# Altium PCB mxiot.PcbDoc (part 2 of 3)
Units mil, origin at the board's own origin, x right, y up, seen from the top; angles counter-clockwise.
Board outline 2300 x 800 mil, 6 copper layers (L1, L2, L3, L4, L5, L6), stack 41.854 mil thick; 97 components, 151 nets, 730 pads, 449 vias.
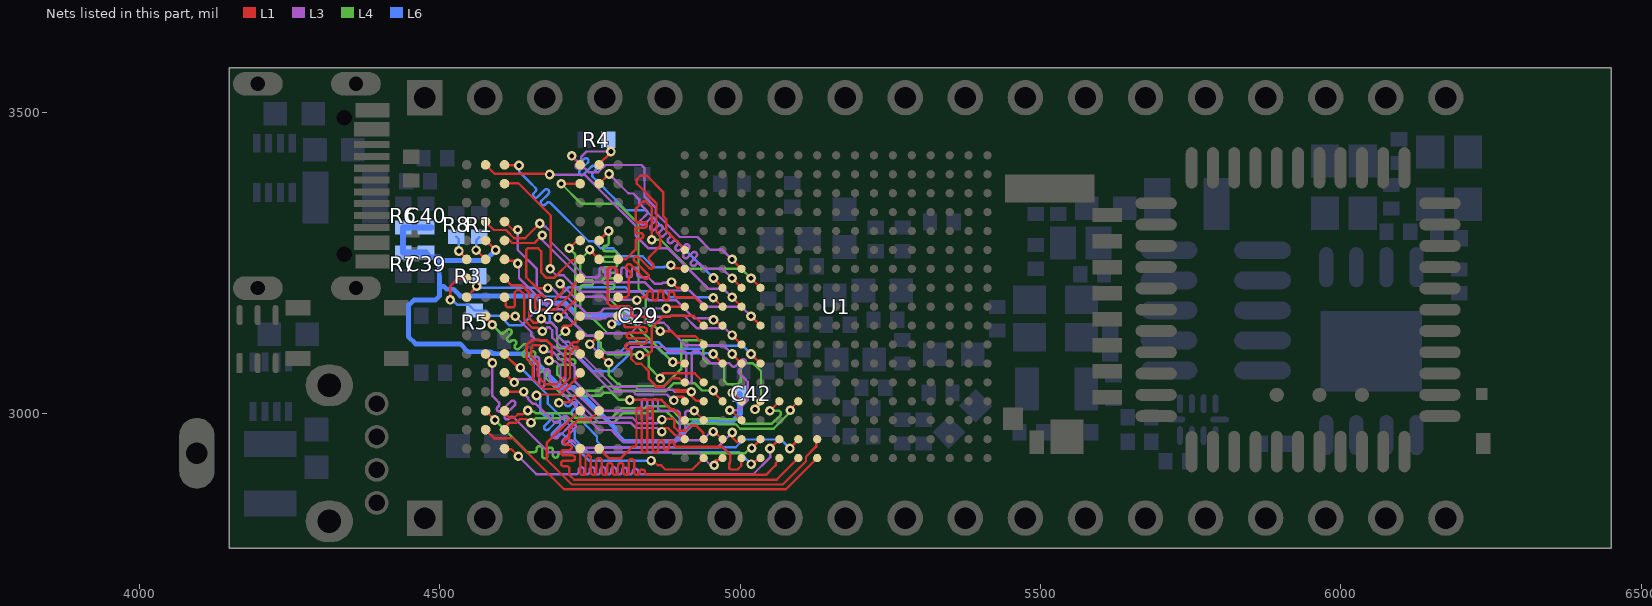
[diagram p6: the nets of this part, all layers, seen from the top]

## Via types
v1: diameter 16, hole 8, L1 to L6, tented both sides, 437 vias
v2: diameter 19.68, hole 7.87, L1 to L6, 12 vias

## Nets (pads, with @x,y where several pads share a name; then routed paths per layer and width w, separated by ;. In a path a pad name is that pad's centre, name@x,y a point inside that pad or via, vN(x,y) a via of type N, cw(c..) or ccw(c..) an arc to the next point about the centre after c; other vN are vias at no path point) (continued)
DDR_A7: U1.H4 U2.R2 | length 507.2
  L1 w4: U2.R2@4765.49,3381.72 4765.61,3381.72 4781.88,3398 v1(4782,3398) ; v1(4986.77,3224.24) U1.H4@5002.52,3208.5
  L3 w4: v1(4782,3398) 4814,3366 4815.37,3366 4815.93,3365.44 4822.24,3365.44 4832,3355.69 4832,3349.37 4836.69,3344.69 4844.46,3336.91 cw(c4841.28,3333.73) 4844.46,3330.54 4834.8,3320.88 ccw(c4837.98,3317.7) 4834.8,3314.51 ccw(c4837.98,3317.7) 4841.16,3314.51 4850.83,3324.18 cw(c4854.01,3321) 4857.19,3324.18 cw(c4854.01,3321) 4857.19,3317.82 4851.42,3312.04 ccw(c4854.6,3308.86) 4851.42,3305.68 ccw(c4854.6,3308.86) 4857.78,3305.68 4863.56,3311.45 cw(c4866.74,3308.27) 4869.92,3311.45 cw(c4866.74,3308.27) 4869.92,3305.09 4866.24,3301.41 ccw(c4869.42,3298.22) 4866.24,3295.04 ccw(c4869.42,3298.22) 4872.6,3295.04 4876.28,3298.72 cw(c4879.47,3295.54) 4882.65,3298.72 cw(c4879.47,3295.54) 4882.65,3292.36 4880.78,3290.49 ccw(c4883.96,3287.31) 4880.78,3284.13 ccw(c4883.96,3287.31) 4887.15,3284.13 4889.01,3286 cw(c4892.19,3282.81) 4895.38,3286 cw(c4892.19,3282.81) 4895.38,3279.63 4893.71,3277.97 ccw(c4896.89,3274.78) 4893.71,3271.6 ccw(c4896.89,3274.78) 4900.07,3271.6 4908.08,3279.6 cw(c4911.26,3276.42) 4914.44,3279.6 cw(c4911.26,3276.42) 4914.44,3273.24 4906.44,3265.24 ccw(c4909.62,3262.06) 4906.44,3258.87 ccw(c4909.62,3262.06) 4912.8,3258.87 4920.8,3266.88 cw(c4923.99,3263.69) 4927.17,3266.88 cw(c4923.99,3263.69) 4927.17,3260.51 4919.17,3252.51 ccw(c4922.35,3249.33) 4919.17,3246.15 ccw(c4922.35,3249.33) 4925.53,3246.15 4927.2,3247.81 cw(c4930.38,3244.63) 4933.56,3247.81 4939.69,3241.69 4941.38,3239.99 4971.02,3239.99 v1(4986.77,3224.24)
DDR_A8: U1.J4 U2.T8 | length 533.4
  L1 w4: U2.T8@4576.51,3413.22 4591.73,3398 4682,3398 v1(4683,3397) ; v1(4986.77,3192.75) U1.J4@5002.52,3177
  L3 w4: v1(4683,3397) 4741,3397 4776.47,3361.53 4826,3312 4826,3295.68 4847.68,3274 4880,3274 4947.25,3206.75 4972.77,3206.75 v1(4986.77,3192.75)
DDR_A9: U1.L2 U2.R3 | length 467.4
  L1 w4: v1(4702.5,3381.72) U2.R3@4733.99,3381.72 ; v1(4867.37,3136.37) 4885.93,3136.37 4894.3,3128 4925.54,3128 U1.L2@4939.53,3114.01
  L4 w4: v1(4702.5,3381.72) 4735.49,3348.73 4796.76,3348.73 4830.99,3314.5 4830.99,3206.81 4843,3194.8 4843,3152.25 4849.79,3145.46 4856.66,3145.46 4865.75,3136.37 v1(4867.37,3136.37)
DDR_A10: U1.M4 U2.L7 | length 500.5
  L1 w4: U2.L7@4608.01,3255.74 4610.07,3253.67 4622.08,3253.67 4626.75,3249 v1(4630,3249) ; v1(4986.77,3098.26) U1.M4@5002.52,3082.51
  L3 w4: v1(4630,3249) 4632,3247 4632,3224.89 4683.89,3173 4703.13,3173 4711.33,3164.8 4711.33,3161.64 4744.17,3128.8 4761.05,3128.8 4765.13,3132.87 4818.18,3132.87 4835.68,3150.37 4873.17,3150.37 4881.37,3142.17 4881.37,3140.93 4909.73,3112.57 4972.46,3112.57 4985.29,3099.74 4986.25,3099.74 4986.25,3098.26 v1(4986.77,3098.26)
DDR_A11: U1.K3 U2.R7 | length 515.6
  L1 w4: U2.R7@4608.01,3381.72 4608.76,3382.48 4631.32,3382.48 4685,3328.8 4685,3241 v1(4684,3240) ; v1(4955.86,3155) 4958.88,3155 4968.38,3145.5 U1.K3@4971.02,3145.5
  L3 w4: v1(4684,3240) 4684,3239.4 4685,3238.4 4694.09,3229.3 4706.31,3229.3 4733.62,3201.99 4783.7,3201.99 4834.4,3202 4848.4,3188 4893.36,3188 4923.49,3157.87 4953.51,3157.87 4953.51,3157.34 v1(4955.86,3155)
DDR_A12: U1.L4 U2.N7 | length 523.6
  L1 w4: U2.N7@4608.01,3318.73 4621.74,3305 v1(4630,3305) ; v1(4986.77,3129.76) U1.L4@5002.52,3114.01
  L3 w4: v1(4630,3305) 4630,3271.49 4661.8,3239.69 4661.8,3206.4 4687.2,3181 4706.44,3181 4729.66,3157.78 4775.98,3157.78 4780.2,3162 4830.5,3162 4832.5,3160 4882.8,3160 4884.8,3162 4907.28,3162 4928.28,3141 4975.53,3141 v1(4986.77,3129.76)
DDR_A13: U1.H3 U2.T3 | length 433.7
  L1 w4: v1(4719.92,3428.03) 4719.92,3427.29 U2.T3@4733.99,3413.22 ; v1(4955.82,3224.79) 4955.82,3224.24 4971.02,3209.05 U1.H3@4971.02,3208.5
  L6 w4: v1(4719.92,3428.03) 4727.98,3419.98 4729.39,3418.56 ccw(c4732.57,3421.74) 4735.76,3418.56 4740.16,3422.96 cw(c4743.34,3419.78) 4746.52,3422.96 cw(c4743.34,3419.78) 4746.52,3416.6 4733.28,3403.36 ccw(c4736.47,3400.18) 4733.29,3397 ccw(c4736.47,3400.18) 4739.65,3397 4752.88,3410.24 cw(c4756.07,3407.05) 4759.25,3410.24 cw(c4756.07,3407.05) 4759.25,3403.87 4754.85,3399.47 ccw(c4758.03,3396.29) 4754.85,3393.11 4762.48,3385.48 4789.72,3358.23 4789.86,3358.23 4810.64,3337.44 4843.17,3337.44 v1(4955.82,3224.79)
DDR_A14: U1.G1 U2.T7 | length 443
  L1 w4: U2.T7@4608.01,3413.22 4608.62,3412.61 4631.39,3412.61 v1(4632,3412) ; v1(4885,3246) 4885,3242.11 4885.83,3241.28 4906.75,3241.28 U1.G1@4908.03,3239.99
  L6 w4: v1(4632,3412) 4632,3402.2 4650.6,3383.6 4659.23,3374.97 cw(c4656.05,3371.79) 4659.23,3368.61 4656.62,3365.99 ccw(c4659.8,3362.81) 4656.62,3359.63 ccw(c4659.8,3362.81) 4662.98,3359.63 4674.57,3371.22 cw(c4677.75,3368.04) 4680.94,3371.22 cw(c4677.75,3368.04) 4680.94,3364.86 4669.34,3353.27 ccw(c4672.53,3350.08) 4669.34,3346.9 ccw(c4672.53,3350.08) 4675.71,3346.9 4678.32,3349.51 cw(c4681.5,3346.33) 4684.69,3349.51 4686.1,3348.1 4748.2,3286 4756.24,3286 4768.24,3274 4788.87,3274 4801.92,3260.95 4837.76,3260.95 4855.71,3243 4873.8,3243 4874.5,3243.7 4882.7,3243.7 v1(4885,3246)
DDR_A15: U1.K5 U2.M7 | length 504.7
  L1 w4: U2.M7@4608.01,3287.24 4609.66,3287.24 4613.15,3290.73 4620.89,3283 4658,3283 v1(4670.9,3295.9) ; v1(5018.27,3161.25) U1.K5@5034.02,3145.5
  L3 w4: v1(4670.9,3295.9) 4669,3294 4669,3289.62 4740.63,3217.99 4777.08,3217.99 4841.03,3218 4855.03,3204 4916.1,3204 4943.1,3177 5002.52,3177 v1(5018.27,3161.25)
DDR_CAS: U1.J2 U2.K3 | length 514
  L1 w4: v1(4700.56,3215.25) 4700.56,3212.38 4706.03,3206.91 4706.03,3203.03 4688,3185 4682,3185 4671,3196 4662,3196 4659,3193 4659,3174.34 4661.34,3172 4692,3172 4721,3201 4721,3211.25 U2.K3@4733.99,3224.24 ; v1(4828.3,3188) 4831.55,3188 4836.3,3192.75 4839,3192.75 4841,3192.75 ccw(c4841,3197.25) 4845.5,3197.25 4845.5,3199.12 cw(c4850,3199.12) 4854.5,3199.12 4854.5,3192.45 ccw(c4859,3192.45) 4863.5,3192.45 4863.5,3199.12 cw(c4868,3199.12) 4872.5,3199.12 4872.5,3192.5 ccw(c4877,3192.5) 4881.5,3192.5 4881.5,3197.65 cw(c4886,3197.65) 4890.5,3197.65 4890.5,3197.25 ccw(c4895,3197.25) 4895,3192.75 4907,3192.75 4923.78,3192.75 U1.J2@4939.53,3177
  L3 w4: v1(4700.56,3215.25) 4701.79,3215.25 4723.26,3193.78 4772.43,3193.78 4777.9,3188.3 4828,3188.3 v1(4828.3,3188)
DDR_CLK_n: U1.P2 U2.K7 | length 510.5
  L1 w4: U2.K7@4608.01,3224.24 4619.76,3212.5 4636.97,3212.5 4648.95,3200.51 4648.95,3158.22 4657.1,3150.07 4662.55,3150.07 4669,3156.52 v1(4669,3157) ; v1(4919,3035.27) v1@4912.09,3035.27 ; U1.P2@4939.53,3019.52 4938.7,3020.34 4927.01,3020.34 v1@4912.09,3035.27 ; v1@4912.09,3035.27 4909.23,3038.13 4898.48,3038.13 4897.7,3038.91 4892.44,3038.91 4896.07,3035.27 v1@4912.09,3035.27
  L3 w4: v1(4669,3157) 4670.88,3157 4677.34,3150.54 4685.99,3150.54 4695.4,3141.13 4695.4,3128.82 4705.61,3118.61 4714.91,3118.61 4789.74,3043.78 4825.52,3043.78 4830.39,3038.91 4887.85,3038.91 4891.49,3035.27 v1(4919,3035.27)
DDR_CLK_p: U1.P1 U2.J7 | length 456.9
  L1 w4: U2.J7@4608.01,3192.75 4610.33,3190.42 4610.33,3178.3 4612.67,3175.96 4622.66,3175.96 4625,3178.3 4625,3201 4628.5,3204.5 4633.65,3204.5 4640.95,3197.2 4640.95,3154.91 4653.79,3142.07 4662.62,3142.07 4668.6,3136.08 v1(4670.96,3136.08) ; v1@4892.4,3027.2 4895.94,3027.2 4896,3027.27 4906.16,3027.27 4906.16,3021.39 U1.P1@4908.03,3019.52
  L3 w4: v1(4670.96,3136.08) 4672.84,3136.08 4679.3,3142.54 4682.67,3142.54 4687.4,3137.81 4687.4,3125.51 4695.91,3117 4699.95,3112.95 4702.3,3110.61 4711.5,3110.61 4713.11,3109 4713.16,3109.05 4786.42,3035.78 4822.2,3035.78 4827.08,3030.91 4878.58,3030.91 4888.48,3021 v1(4890,3021)
DDR_CS0: U1.N2 U2.L2 | length 440.9
  L1 w4: v1(4749.74,3272) 4749.74,3271.49 U2.L2@4765.49,3255.74 ; v1(4867,3058) 4868.24,3059.24 4868.24,3062.76 4871.61,3066.13 4924.42,3066.13 U1.N2@4939.53,3051.02
  L4 w4: v1(4749.74,3272) 4749.74,3271.49 4733.99,3255.74 4733.99,3237 4733.99,3226 ccw(c4738.49,3226) 4738.49,3221.5 4751.19,3221.5 cw(c4751.19,3217) 4751.19,3212.5 4738.49,3212.5 ccw(c4738.49,3208) 4733.99,3208 4733.99,3179 4733.99,3176.12 4753.46,3156.66 4755.91,3156.66 4779.7,3132.87 4815.93,3132.87 4847.78,3101.02 4847.78,3077.22 v1(4867,3058)
DDR_CS1: U1.H5 U2.L1 | length 458.3
  L1 w4: U2.L1@4796.98,3255.74 4809.74,3255.74 4826.12,3272.12 4826.12,3275.06 4826.12,3286.06 cw(c4830.62,3286.06) 4830.62,3290.56 4834.49,3290.56 ccw(c4834.49,3295.06) 4834.49,3299.56 4829.6,3299.56 cw(c4829.6,3304.06) 4829.6,3308.56 4840.49,3308.56 ccw(c4840.49,3313.06) 4840.49,3317.56 4830.62,3317.56 cw(c4830.62,3322.06) 4826.12,3322.06 4826.12,3340.12 4827.45,3341.45 4838.84,3352.84 4842.16,3352.84 4852.99,3342.01 v1(4852.99,3288.5) ; v1(5018.27,3224.24) U1.H5@5034.02,3208.5
  L4 w4: v1(4852.99,3288.5) 4867.5,3288.5 4916.01,3239.99 5002.52,3239.99 v1(5018.27,3224.24)
DDR_DATA0: U1.T4 U2.D7 | length 595.7
  L1 w4: U2.D7@4608.01,3035.27 4608.37,3035.63 v1(4639.97,3035.63) ; v1(4987,2967.53) 4987,2959.48 4995.49,2950.99 5001.02,2956.53 U1.T4@5002.52,2956.53
  L3 w4: v1(4639.97,3035.63) 4639.97,3032.38 4647.15,3025.2 4647.15,3023.35 4655.35,3015.15 4660.44,3015.15 4689.3,2986.3 4690.71,2984.88 ccw(c4693.9,2988.07) 4697.08,2984.88 4706.04,2993.85 cw(c4709.23,2990.67) 4712.41,2993.85 cw(c4709.23,2990.67) 4712.41,2987.49 4690.22,2965.3 ccw(c4693.4,2962.12) 4690.22,2958.94 ccw(c4693.4,2962.12) 4696.59,2958.94 4718.77,2981.12 cw(c4721.95,2977.94) 4725.14,2981.12 cw(c4721.95,2977.94) 4725.14,2974.76 4705.4,2955.02 ccw(c4708.58,2951.84) 4705.4,2948.66 ccw(c4708.58,2951.84) 4711.76,2948.66 4716.17,2953.06 cw(c4719.35,2949.88) 4722.53,2953.06 4728.3,2947.3 4733.07,2942.53 4842.54,2942.53 4842.86,2942.85 4962.32,2942.85 v1(4987,2967.53)
DDR_DATA1: U1.U6 U2.A3 | length 615.2
  L1 w4: U2.A3@4733.99,2940.78 4734,2899.34 4736.34,2897 4738.34,2897 ccw(c4738.34,2901.5) 4742.84,2901.5 4742.84,2925.23 cw(c4747.34,2925.23) 4751.84,2925.23 4751.84,2901.5 ccw(c4756.34,2901.5) 4760.84,2901.5 4760.84,2920.61 cw(c4765.34,2920.61) 4769.84,2920.61 4769.84,2901.5 ccw(c4774.34,2901.5) 4778.84,2901.5 4778.84,2912.5 cw(c4783.34,2912.5) 4787.84,2912.5 4787.84,2901.5 ccw(c4792.34,2901.5) 4796.84,2901.5 4796.84,2912.5 cw(c4801.34,2912.5) 4805.84,2912.5 4805.84,2901.5 ccw(c4810.34,2901.5) 4814.84,2901.5 4814.84,2918.93 cw(c4819.34,2918.93) 4823.84,2918.93 4823.84,2901.5 ccw(c4828.34,2901.5) 4832.84,2901.5 cw(c4837.34,2901.5) 4841.84,2901.5 ccw(c4846.34,2901.5) 4846.34,2897 4855,2897 5043.38,2897 5059.58,2913.2 5059.58,2916.45 5065.51,2922.39 U1.U6@5065.51,2925.03
DDR_DATA2: U1.T6 U2.A7 | length 595.5
  L1 w4: U2.A7@4608.01,2940.78 4608.85,2939.94 4619.06,2939.94 v1(4631,2928) ; v1(5050,2941) U1.T6@5065.51,2956.53
  L3 w4: v1(4631,2928) 4661,2898 4724.97,2898 4726.97,2898 ccw(c4726.97,2902.5) 4731.47,2902.5 4731.47,2905.2 cw(c4735.97,2905.2) 4740.47,2905.2 4740.47,2902.49 ccw(c4744.97,2902.49) 4749.47,2902.49 4749.47,2905.2 cw(c4753.97,2905.2) 4758.47,2905.2 4758.47,2902.49 ccw(c4762.97,2902.49) 4767.47,2902.49 4767.47,2905.2 cw(c4771.97,2905.2) 4776.47,2905.2 4776.47,2902.49 ccw(c4780.97,2902.49) 4785.47,2902.49 4785.47,2905.2 cw(c4789.97,2905.2) 4794.47,2905.2 4794.47,2902.49 ccw(c4798.97,2902.49) 4803.47,2902.49 4803.47,2904.47 cw(c4807.97,2904.47) 4812.47,2904.47 4812.47,2902.49 ccw(c4816.97,2902.49) 4821.47,2902.49 cw(c4825.97,2902.5) 4830.47,2902.5 ccw(c4834.97,2902.5) 4834.97,2898 4845,2898 5021.99,2898 5050,2926.01 v1(5050,2941)
DDR_DATA3: U1.U7 U2.C2 | length 614.7
  L1 w4: U2.C2@4765.49,3003.77 4750.67,2988.95 4730.77,2988.95 4716,2974.18 4716,2968 4716,2961 cw(c4711.5,2961) 4711.5,2956.5 ccw(c4711.5,2952) 4711.5,2947.5 4715.42,2947.5 cw(c4715.42,2943) 4715.42,2938.5 4706.77,2938.5 ccw(c4706.77,2934) 4706.77,2929.5 4720.87,2929.5 cw(c4720.87,2925) 4720.87,2920.5 4706.69,2920.5 ccw(c4706.69,2916) 4706.69,2911.5 4711.5,2911.5 cw(c4711.5,2907) 4716,2907 4716,2905 4716,2897 4724,2889 5060.98,2889 U1.U7@5097.01,2925.03
DDR_DATA4: U1.U8 U2.B8 | length 614.7
  L1 w4: U2.B8@4576.51,2972.28 4590.58,2958.2 4621.8,2958.2 4707,2873 5076.47,2873 U1.U8@5128.5,2925.03
DDR_DATA5: U1.T8 U2.C3 | length 615.1
  L1 w4: U2.C3@4733.99,3003.77 4731.77,3003.77 4678,2950 4678,2923 4720,2881 5071.21,2881 5109.9,2919.69 5109.9,2927.28 5126.63,2944.01 5126.63,2954.66 U1.T8@5128.5,2956.53
DDR_DATA6: U1.T5 U2.C8 | length 553.6
  L1 w4: U2.C8@4575.46,3003.77 U2.C8@4576.51,3003.77 4576.58,3003.77 v1(4592.01,2988.35) ; v1(5019.51,2941.67) 5019.6,2941.76 5020,2941.76 5033.26,2955.02 5034.02,2955.02 U1.T5@5034.02,2956.53
  L4 w4: v1(4592.01,2988.35) 4645.5,2934.85 4655,2934.85 4657,2934.85 ccw(c4657,2939.35) 4661.5,2939.35 4661.5,2940.55 cw(c4666,2940.55) 4670.5,2940.55 4670.5,2929.15 ccw(c4675,2929.15) 4679.5,2929.15 4679.5,2938.14 cw(c4684,2938.14) 4688.5,2938.14 4688.5,2930.35 ccw(c4693,2930.35) 4697.5,2930.35 cw(c4702,2930.35) 4702,2934.85 4714.07,2934.85 4886.34,2934.85 4888.19,2933 5008.39,2933 5017.06,2941.67 v1(5019.51,2941.67)
DDR_DATA7: U1.U4 U2.A2 | length 616
  L1 w4: U2.A2@4765.49,2940.78 4781.27,2925 4802,2925 4820.64,2943.64 4821.21,2943.64 4823.22,2943.64 ccw(c4823.22,2948.14) 4827.72,2948.14 4827.72,3004.59 cw(c4832.22,3004.59) 4836.72,3004.59 4836.72,2938.89 ccw(c4841.22,2938.89) 4845.72,2938.89 4845.72,3004.59 cw(c4850.22,3004.59) 4854.72,3004.59 4854.72,2939.35 ccw(c4859.22,2939.35) 4863.72,2939.35 4863.72,2950.5 cw(c4868.22,2950.5) 4872.72,2950.5 4872.72,2943.31 ccw(c4877.22,2943.31) 4881.72,2943.31 4881.72,2948.14 cw(c4886.22,2948.14) 4890.72,2948.14 ccw(c4895.22,2948.14) 4895.22,2943.64 4910,2943.64 4970.65,2943.64 4983.91,2930.37 4983.91,2919.69 4982.88,2918.66 4982.88,2916.6 4982,2915.71 4982,2908.34 4984.34,2906 4996,2906 5002.14,2912.14 5002.14,2922.37 5001,2923.51 U1.U4@5002.52,2925.03
DDR_DATA8: U1.U2 U2.E3 | length 524.9
  L1 w4: v1(4661.15,3029.15) 4662.9,3030.9 4700.52,3030.9 4733.99,3064.36 U2.E3@4733.99,3066.76 ; v1(4851.97,2920.85) 4855.22,2920.85 4863.07,2913 4868.59,2913 4875.59,2906 4920.5,2906 U1.U2@4939.53,2925.03
  L6 w4: v1(4661.15,3029.15) 4662.78,3027.53 4667.53,3027.53 4667.53,3002.16 4671.84,2997.84 4673.26,2996.43 ccw(c4676.44,2999.61) 4679.62,2996.43 4680.57,2997.38 cw(c4683.75,2994.19) 4686.93,2997.38 cw(c4683.75,2994.19) 4686.93,2991.01 4675.22,2979.3 ccw(c4678.4,2976.12) 4675.22,2972.93 ccw(c4678.4,2976.12) 4681.58,2972.93 4693.3,2984.65 cw(c4696.48,2981.47) 4699.66,2984.65 cw(c4696.48,2981.47) 4699.66,2978.28 4687.95,2966.57 ccw(c4691.13,2963.39) 4687.95,2960.21 ccw(c4691.13,2963.39) 4694.31,2960.21 4698.71,2964.61 cw(c4701.9,2961.43) 4705.08,2964.61 4710.84,2958.84 4748.84,2920.85 v1(4851.97,2920.85)
DDR_DATA9: U1.U3 U2.F8 | length 583.4
  L1 w4: U2.F8@4576.51,3098.26 4576.51,3096.46 4587.84,3085.13 v1(4587.84,3083.33) ; v1(4956.98,2913.12) 4956.98,2918.55 4959.72,2921.3 4964.64,2921.3 4968.38,2925.03 U1.U3@4971.02,2925.03
  L3 w4: v1(4587.84,3083.33) 4587.84,3028.36 4593.6,3022.6 4598.23,3017.97 cw(c4595.05,3014.79) 4598.23,3011.61 4596.57,3009.95 ccw(c4599.75,3006.77) 4596.57,3003.58 ccw(c4599.75,3006.77) 4602.93,3003.58 4618.47,3019.11 cw(c4621.65,3015.93) 4624.83,3019.11 cw(c4621.65,3015.93) 4624.83,3012.75 4609.19,2997.11 ccw(c4612.37,2993.93) 4609.19,2990.75 ccw(c4612.37,2993.93) 4615.55,2990.75 4617.32,2992.52 cw(c4620.5,2989.33) 4623.69,2992.52 4625.1,2991.1 4681.67,2934.53 4845.85,2934.53 4846.17,2934.85 4929.6,2934.85 4951.33,2913.12 v1(4956.98,2913.12)
DDR_DATA10: U1.U5 U2.F7 | length 522.8
  L1 w4: U2.F7@4608.01,3098.26 4608.01,3097.85 4630.2,3075.66 v1(4634.45,3075.66) ; v1(5018.53,2915) 5021.34,2915 5031.37,2925.03 U1.U5@5034.02,2925.03
  L6 w4: v1(4634.45,3075.66) 4680,3030.11 4680,3015.62 4725,2970.62 4725,2957 4747,2935 4998.53,2935 v1(5018.53,2915)
DDR_DATA11: U1.R4 U2.G2 | length 553.4
  L1 w4: v1(4750.07,3114.8) 4750.3,3114.8 4765.03,3129.53 4765.03,3129.76 U2.G2@4765.49,3129.76 U2.G2@4765.49,3126.47 ; v1(4982.78,3004.73) 4985.53,3004.73 5002.24,2988.02 U1.R4@5002.52,2988.02
  L3 w4: v1(4750.07,3114.8) 4750.61,3114.8 4750.61,3114.25 4764.69,3100.17 4809.33,3100.17 4819.16,3110 4872.51,3110 4879.79,3102.71 4895,3102.71 4906,3102.71 cw(c4906,3098.21) 4910.5,3098.21 4910.5,3053.77 ccw(c4915,3053.77) 4919.5,3053.77 4919.5,3098.21 cw(c4924,3098.21) 4924,3102.71 4931.29,3102.71 4933,3101 4951,3083 4982,3083 4985,3080 4986.41,3078.59 ccw(c4989.6,3081.77) 4992.78,3078.59 5002.28,3088.09 cw(c5005.46,3084.9) 5008.64,3088.09 cw(c5005.46,3084.9) 5008.64,3081.72 4999.14,3072.22 ccw(c5002.32,3069.04) 4999.14,3065.86 5008.5,3056.5 5013,3052 5013,3021 4996.78,3004.78 4982.83,3004.78 v1(4982.78,3004.73)
DDR_DATA12: U1.P5 U2.F2 | length 543.6
  L1 w4: U2.F2@4765.49,3098.26 4766.15,3098.26 4780.64,3083.76 v1(4781.3,3083.76) ; v1(5025,3006) 5025,3007.61 5023.61,3009 5034.02,3019.41 U1.P5@5034.02,3019.52
  L4 w4: v1(4781.3,3083.76) 4781.3,3063.26 4795.64,3048.92 4798.28,3048.92 4802.2,3045 4858.89,3045 4859.89,3044 4872.8,3044 4902,3073.2 4902,3118.51 4904.34,3120.85 4936.66,3120.85 4939,3118.51 4939,3090 4946,3083 4967,3083 4974,3076 4974,3053 4979,3048 4997,3048 5001,3052 5001,3077 5007,3083 5021,3083 5023.4,3080.6 5024,3080.6 5035,3069.6 5035,3016 v1(5025,3006)
DDR_DATA13: U1.P3 U2.H3 | length 542.1
  L1 w4: v1(4709.4,3136.4) 4709,3136.8 4709,3137.48 4704,3142.48 4706.7,3145.18 4717.92,3145.18 U2.H3@4733.99,3161.25 ; v1(4955.35,3037.57) 4955.35,3035.2 U1.P3@4971.02,3019.52
  L4 w4: v1(4709.4,3136.4) 4709,3136 4706.5,3136 4696,3125.5 4696,3119 4696,3112 ccw(c4700.5,3112) 4700.5,3107.5 4721.56,3107.5 cw(c4721.56,3103) 4721.56,3098.5 4700.5,3098.5 ccw(c4700.5,3094) 4700.5,3089.5 4721.56,3089.5 cw(c4721.56,3085) 4721.56,3080.5 4700.5,3080.5 ccw(c4700.5,3076) 4696,3076 4696,3065 4696,3064 4723,3037 4765,3037 4772.18,3044.18 4787.18,3044.18 4790.45,3040.92 4794.97,3040.92 4798.89,3037 4855.58,3037 4856.58,3036 4876.11,3036 4889.38,3049.27 4924.8,3049.27 4936.49,3037.57 v1(4955.35,3037.57)
DDR_DATA14: U1.R2 U2.H7 | length 581.2
  L1 w4: U2.H7@4608.02,3161.24 v1(4625.91,3161.24) ; v1(4923.78,3003.77) U1.R2@4939.53,2988.02
  L3 w4: v1(4625.91,3161.24) 4652.62,3134.53 4652.62,3128.86 4659.4,3122.08 4665.62,3122.08 4667.28,3120.42 4678.7,3120.42 4689.03,3110.09 4690.49,3110.09 4691.57,3109 4692.6,3109 4725.13,3076.47 4725.13,3052.67 4774.21,3003.59 4830,3003.59 4832,3003.59 ccw(c4832,3008.09) 4836.5,3008.09 4836.5,3018.41 cw(c4841,3018.41) 4845.5,3018.41 4845.5,2995.5 ccw(c4850,2995.5) 4854.5,2995.5 4854.5,3018.41 cw(c4859,3018.41) 4863.5,3018.41 4863.5,3008.09 ccw(c4868,3008.09) 4868,3003.59 4895,3003.59 cw(c4895,2999.09) 4899.5,2999.09 4899.5,2967.5 ccw(c4904,2967.5) 4908.5,2967.5 4908.5,2999.09 cw(c4913,2999.09) 4913,3003.59 4920,3003.59 4923.36,3003.59 4923.48,3003.47 v1(4923.78,3003.77)
DDR_DATA15: U1.R1 U2.H8 | length 527.5
  L1 w4: U2.H8@4576.51,3161.25 4576.51,3159.65 4587.7,3148.46 v1(4587.7,3146.86) ; v1(4816.4,3021.78) 4869.42,3021.78 4885.2,3006 4890.06,3006 U1.R1@4908.03,2988.02
  L4 w4: v1(4587.7,3146.86) 4599.78,3134.78 4601.2,3133.37 ccw(c4604.38,3136.55) 4607.56,3133.37 4612.23,3138.04 cw(c4615.41,3134.85) 4618.59,3138.04 cw(c4615.41,3134.85) 4618.59,3131.67 4613.39,3126.47 ccw(c4616.57,3123.29) 4613.39,3120.11 ccw(c4616.57,3123.29) 4619.76,3120.11 4619.8,3120.15 cw(c4622.99,3116.97) 4626.17,3120.15 cw(c4622.99,3116.97) 4626.17,3113.79 4626.12,3113.74 ccw(c4629.3,3110.56) 4626.12,3107.38 ccw(c4629.3,3110.56) 4632.48,3107.38 4638.27,3113.16 cw(c4641.45,3109.98) 4644.63,3113.16 cw(c4641.45,3109.98) 4644.63,3106.8 4638.85,3101.01 ccw(c4642.03,3097.83) 4638.85,3094.65 ccw(c4642.03,3097.83) 4645.21,3094.65 4651.86,3101.3 cw(c4655.04,3098.12) 4658.22,3101.3 cw(c4655.04,3098.12) 4658.22,3094.94 4651.57,3088.29 ; 4651.57,3088.29 ccw(c4654.76,3085.1) 4651.58,3081.92 ccw(c4654.76,3085.1) 4657.94,3081.92 4659.43,3083.41 cw(c4662.61,3080.23) 4665.79,3083.41 cw(c4662.61,3080.23) 4665.79,3077.05 4664.3,3075.56 ccw(c4667.48,3072.38) 4664.3,3069.19 ccw(c4667.48,3072.38) 4670.67,3069.19 4672.15,3070.68 cw(c4675.34,3067.5) 4678.52,3070.68 cw(c4675.34,3067.5) 4678.52,3064.32 4677.56,3063.36 ccw(c4680.75,3060.18) 4677.56,3057 4692.28,3042.28 4705.56,3029 4768.31,3029 4772.83,3033.52 4787.04,3033.52 4798.77,3021.78 v1(4816.4,3021.78)
DDR_DQM0: U1.T7 U2.D3 | length 533.3
  L1 w4: v1(4698.53,3016.9) 4699.63,3018 4716.72,3018 U2.D3@4733.99,3035.27 ; v1(5083,2941) 5083,2941.76 5096.25,2955.01 5097.01,2955.01 U1.T7@5097.01,2956.53
  L6 w4: v1(4698.53,3016.9) 4700.9,3016.9 4701.7,3016.1 4706.9,3016.1 4709,3014 4710.41,3012.59 ccw(c4713.6,3015.77) 4716.78,3012.59 4720.76,3016.57 cw(c4723.94,3013.39) 4727.12,3016.57 cw(c4723.94,3013.39) 4727.12,3010.2 4721.29,3004.37 ccw(c4724.47,3001.19) 4721.29,2998 ccw(c4724.47,3001.19) 4727.65,2998 4729.51,2999.86 cw(c4732.69,2996.68) 4735.87,2999.86 cw(c4732.69,2996.68) 4735.87,2993.49 ccw(c4739.05,2990.31) 4735.87,2987.13 4743.43,2979.57 4762,2961 4762,2953 4772,2943 4993,2943 5006,2956 5068,2956 v1(5083,2941)
DDR_DQM1: U1.T3 U2.E7 | length 550
  L1 w4: U2.E7@4608.01,3066.76 4608.2,3066.76 v1(4624.03,3050.94) ; v1(4955.52,2969) 4957.03,2969 4969.51,2956.53 U1.T3@4971.02,2956.53
  L3 w4: v1(4624.03,3050.94) 4629.56,3056.48 4632,3056.48 4652,3056.48 ccw(c4652,3060.98) 4656.5,3060.98 4656.5,3089.53 cw(c4661,3089.53) 4665.5,3089.53 4665.5,3047.65 ccw(c4670,3047.65) 4674.5,3047.65 4674.5,3068.5 cw(c4679,3068.5) 4683.5,3068.5 4683.5,3055.76 ccw(c4688,3055.76) 4684.82,3052.58 4696,3041.4 4705,3032.4 4705.2,3032.4 4765.82,2971.78 4785.78,2971.78 4805.56,2952 4830.22,2952 4833.22,2955 4938,2955 4952.1,2969.1 4952.2,2969 v1(4955.52,2969)
DDR_ODT: U1.N1 U2.K1 | length 542.5
  L1 w4: U2.K1@4796.98,3224.24 4795.69,3225.54 4795.69,3238.32 4792,3242 4782,3242 4779.56,3239.56 4779.56,3183.44 4785,3178 4814.44,3178 4815.49,3176.95 4819,3173.44 4819,3165 ccw(c4823.5,3165) 4823.5,3160.5 4846.89,3160.5 cw(c4846.89,3156) 4846.89,3151.5 4811.63,3151.5 ccw(c4811.63,3147) 4811.63,3142.5 4840.5,3142.5 cw(c4840.5,3138) 4840.5,3133.5 4815.56,3133.5 ccw(c4815.56,3129) 4815.56,3124.5 4840.5,3124.5 cw(c4840.5,3120) 4840.5,3115.5 4813.14,3115.5 ccw(c4813.14,3111) 4813.14,3106.5 4814.5,3106.5 cw(c4814.5,3102) 4819,3102 4819,3100 4819,3090.2 4827.2,3082 4835.51,3082 4848.36,3069.16 4848.36,3056.84 4861.2,3044 4873.14,3044 4887.26,3058.13 4898.27,3058.13 4905.39,3051.02 U1.N1@4908.03,3051.02
DDR_ODT1: U1.F1 U2.J1 | length 550.1
  L1 w4: U2.J1@4796.98,3192.75 4811.2,3192.75 4815,3196.55 4815,3225.8 4816.1,3226.9 4817.52,3228.31 ccw(c4814.33,3231.5) 4817.51,3234.68 4811.93,3240.26 cw(c4815.11,3243.45) 4811.93,3246.63 cw(c4815.11,3243.45) 4818.29,3246.63 4840.45,3224.47 ccw(c4843.64,3227.65) 4846.82,3224.47 ccw(c4843.64,3227.65) 4846.82,3230.83 4824.66,3252.99 cw(c4827.85,3256.17) 4824.66,3259.35 cw(c4827.85,3256.17) 4831.03,3259.35 4848.61,3241.77 ccw(c4851.79,3244.95) 4854.97,3241.77 ccw(c4851.79,3244.95) 4854.97,3248.13 4849.33,3253.77 cw(c4852.52,3256.95) 4849.33,3260.13 4858.6,3269.4 4867,3277.8 4867,3295 4861,3301 4861,3349 4828,3382 4828,3389 4834,3395 4845,3395 4872,3368 4872,3328 4877,3323 4877,3304 4908.03,3272.97 U1.F1@4908.03,3271.49 U1.F1@4906.52,3273
DDR_RAS: U1.M5 U2.J3 | length 448.6
  L1 w4: v1(4697.33,3159) 4729.55,3191.22 4733.99,3191.22 U2.J3@4733.99,3192.75 ; v1(5018.27,3098.26) U1.M5@5034.02,3082.51
  L6 w4: v1(4697.33,3159) 4713.97,3159 4744.17,3128.8 4755.87,3128.8 4764.07,3120.59 4764.07,3104.01 4767.93,3100.15 4798.84,3100.15 4816.69,3118 4864.51,3118 4875.25,3107.26 4936.11,3107.26 4941.11,3112.26 5004.27,3112.26 v1(5018.27,3098.26)
DDR_RESET: R4.2 U1.G4 U2.T2 | length 493.6
  L1 w4: U2.T2@4765.49,3413.22 4765.49,3414.35 4784.98,3433.85 v1(4784.98,3435.3) ; v1(4986.77,3255.74) U1.G4@5002.52,3239.99
  L3 w4: v1(4784.98,3435.3) 4744.3,3435.3 4736,3427 4736,3422.5 4726.16,3412.66 4726.16,3409.34 4728.5,3407 4742.31,3407 4748.31,3401 4764,3401 4775.87,3412.87 4836.13,3412.87 4841,3408 4841,3360.2 4860,3341.2 4860,3332.69 4899.69,3293 4929,3293 4950.51,3271.49 4971.02,3271.49 v1(4986.77,3255.74)
DDR_SDBA0: U1.M1 U2.M2 | length 456.5
  L1 w4: U2.M2@4765.49,3287.24 v1(4781.24,3302.98) ; v1@4885.18,3085.69 4887.01,3083.86 4906.69,3083.86 U1.M1@4908.03,3082.51 ; v1@4885.87,3085 v1(4888,3085)
  L4 w4: v1(4781.24,3302.98) 4781.24,3292 4781.24,3282.99 cw(c4776.74,3282.99) 4776.74,3278.49 4776.24,3278.49 ccw(c4776.24,3273.99) 4776.24,3269.49 4790.82,3269.49 cw(c4790.82,3264.99) 4790.82,3260.49 4776.24,3260.49 ccw(c4776.24,3255.99) 4776.24,3251.49 4790.82,3251.49 cw(c4790.82,3246.99) 4790.82,3242.49 4776.24,3242.49 ccw(c4776.24,3237.99) 4776.24,3233.49 4790.82,3233.49 cw(c4790.82,3228.99) 4790.82,3224.49 4776.24,3224.49 ccw(c4776.24,3219.99) 4776.24,3215.49 4786.64,3215.49 cw(c4786.64,3210.99) 4786.64,3206.49 4785.74,3206.49 ccw(c4785.74,3201.99) 4781.24,3201.99 4781.24,3191.39 4781.64,3190.99 4887.63,3085 v1(4888,3085)
DDR_SDBA1: U1.H1 U2.N8 | length 509.8
  L1 w4: U2.N8@4576.51,3318.73 4576.51,3318.27 4590.12,3304.66 4610.54,3304.66 4624.2,3291 4642.24,3291 v1(4666.69,3315.45) ; v1(4886,3218) 4886,3217.81 4895.14,3208.67 4907.86,3208.67 U1.H1@4908.03,3208.5
  L3 w4: v1(4666.69,3315.45) 4669.93,3315.45 4675.49,3309.9 4676.7,3309.9 4684.9,3301.7 4684.9,3285.03 4743.93,3226 4759.66,3226 4761.66,3226 ccw(c4761.66,3230.5) 4766.16,3230.5 4766.16,3237.83 cw(c4770.66,3237.83) 4775.16,3237.83 4775.16,3230.5 ccw(c4779.66,3230.5) 4784.16,3230.5 4784.16,3237.83 cw(c4788.66,3237.83) 4793.16,3237.83 4793.16,3230.5 ccw(c4797.66,3230.5) 4802.16,3230.5 4802.16,3237.83 cw(c4806.66,3237.83) 4811.16,3237.83 4811.16,3230.5 ccw(c4815.66,3230.5) 4820.16,3230.5 4820.16,3237.83 cw(c4824.66,3237.83) 4829.16,3237.83 4829.16,3230.5 ccw(c4833.66,3230.5) 4833.66,3226 4847.2,3226 4848,3225.2 4858.2,3215 4869.8,3215 4872,3217.2 4885.2,3217.2 v1(4886,3218)
DDR_SDBA2: U1.K2 U2.M3 | length 450.7
  L1 w4: v1(4715.85,3274.26) 4726.5,3284.91 4731.67,3284.91 U2.M3@4733.99,3287.24 ; v1(4833,3096) 4846,3096 4853,3103 4853,3141.8 4871.2,3160 4882.8,3160 4884.8,3162 4923.03,3162 U1.K2@4939.53,3145.5
  L4 w4: v1(4715.85,3274.26) 4725.99,3264.11 4725.99,3146.98 4744.17,3128.8 4755.87,3128.8 4767.92,3116.74 4767.92,3109.62 4779.78,3097.76 4831.24,3097.76 v1(4833,3096)
DDR_SDCKE: R5.2 U1.M3 U2.K9 | length 621.3
  L1 w4: v1(4517.77,3188.32) 4517.77,3211.24 4530.77,3224.24 U2.K9@4545.02,3224.24 ; v1(4955.54,3098.26) 4955.54,3098.13 4971.02,3082.64 U1.M3@4971.02,3082.51
  L6 w4: v1(4517.77,3188.32) 4521.02,3188.32 4528.85,3180.5 4548.19,3180.5 R5.2@4558,3170.68 4577.31,3170.68 4586,3162 4600,3162 4616,3146 4636,3146 4661,3171 4674.8,3171 4683.33,3162.47 4683.33,3153.2 4695,3141.53 4695,3130.2 4755.44,3069.76 4787.1,3069.76 4815,3097.67 4815,3101.8 4823.2,3110 4861.19,3110 4871.93,3099.26 4954.27,3099.26 4955.28,3098.26 v1(4955.54,3098.26)
DDR_SDQS0_n: U1.P7 U2.B7 | length 549.6
  L1 w4: U2.B7@4608.01,2972.28 4608.01,2975.56 4613.51,2981.07 4613.51,2981.68 4615.86,2984.02 4627.54,2984.02 4633.53,2990.01 4643.66,2990.01 4649.66,2984 v1(4652,2984) ; v1(5083.66,3004.67) 5083.66,3006.17 U1.P7@5097.01,3019.52
  L4 w4: v1(4652,2984) 4652.23,2984 4659.85,2991.63 4714.53,2991.63 4721.7,2984.45 4790.35,2984.45 4805.68,2999.78 4843.97,2999.78 4847.18,3003 4876.89,3003 4880.89,2999 4881.47,2999 4890.56,2989.91 4898.7,2981.77 4948.49,2981.77 4949.72,2983 4961.31,2983 4962.78,2981.53 4992.8,2981.53 5000.45,2973.88 5056,2973.88 5083.66,3001.54 v1(5083.66,3004.67)
DDR_SDQS0_p: U1.P6 U2.C7 | length 549.5
  L1 w4: U2.C7@4608.01,3003.77 4608.01,3000.49 4613.51,2994.98 4613.51,2994.37 4615.86,2992.02 4624.23,2992.02 4630.21,2998.01 4638.29,2998.01 4644.49,3004.2 v1(4646.63,3004.2) ; v1(5049.76,3003.77) U1.P6@5065.51,3019.52
  L4 w4: v1(4646.63,3004.2) 4648.93,3001.91 4657.57,3001.91 4659.85,2999.63 4717.85,2999.63 4725.02,2992.45 4787.04,2992.45 4802.36,3007.78 4840.65,3007.78 4843.87,3011 4880.2,3011 4884.2,3007 4884.79,3007 4902.01,2989.77 4945.17,2989.77 4946.4,2991 4964.63,2991 4966.1,2989.53 4996.11,2989.53 5003.76,2981.88 5052.69,2981.88 5067.73,2996.92 5067.73,3001.43 5065.38,3003.77 v1(5049.76,3003.77)
DDR_SDQS1_n: U1.T2 U2.G3 | length 570.5
  L1 w4: 4667,3113 4656,3113 4652.66,3109.66 4652.66,3093.66 4663,3083.31 4663,3062 4668,3057 4668,3056 4676,3048 4695,3048 4709,3062 4709,3104.32 4722.69,3118.01 4729.15,3118.01 4731.67,3120.52 4731.67,3127.43 U2.G3@4733.99,3129.76 ; v1(4870,2989) 4871.51,2990.51 4888.17,2990.51 4890.51,2988.17 4890.51,2976.49 4896.34,2970.66 4909.66,2970.66 4918,2979 4927,2979 4939,2967 4939,2957.06 U1.T2@4939.53,2956.53
  L3 w4: 4680.48,3102.09 4687.17,3102.09 4688.26,3101 4689.28,3101 4709.13,3081.16 4709.13,3051.1 4768.2,2992.03 4821.09,2992.03 4830.11,2983 4861.66,2983 4867.66,2989 v1(4870,2989)
  other v1: 4672.9,3106.42
DDR_SDQS1_p: U1.T1 U2.F3 | length 582.2
  L1 w4: v1(4682,3087) 4682,3090.25 4686.9,3095.15 4686.9,3112.22 4678.12,3121 4652.69,3121 4644.66,3112.97 4644.66,3090.34 4647,3088 4655,3080 4655,3057.69 4662.34,3050.34 4672.69,3040 4698.31,3040 4717,3058.69 4717,3101.01 4726,3110.01 4729.15,3110.01 4731.67,3107.49 4731.67,3100.58 U2.F3@4733.99,3098.26 ; v1@4873,2975 4880,2975 4892.34,2962.66 4900.8,2962.66 4906.93,2956.53 U1.T1@4908.03,2956.53
  L3 w4: v1(4682,3087) 4683.48,3087 4684.05,3086.43 4692.54,3086.43 4701.13,3077.84 4701.13,3047.78 4764.89,2984.03 4817.77,2984.03 4826.8,2975 4861.66,2975 4867.66,2969 v1(4870,2969)
DDR_WE: U1.J1 U2.L3 | length 486.9
  L1 w4: v1(4680,3208) 4662,3208 4644,3226 4644,3271.66 4646.34,3274 4664,3274 4669,3269 4669,3234 4678,3225 4690.51,3225 4719.92,3254.41 4732.66,3254.41 U2.L3@4733.99,3255.74 ; v1(4877,3174) 4878.15,3174 4879.15,3173 4879.3,3173.14 4879.3,3177 4879.34,3177.04 U1.J1@4908.03,3177 U1.J1@4908.03,3177
  L3 w4: v1(4680,3208) 4686.79,3208 4702.26,3192.53 4713.19,3192.53 4726.9,3178.83 4731.29,3178.83 4744.34,3165.78 4765.58,3165.78 4773.8,3174 v1(4877,3174)
DDR_ZQ: R1.1 U2.L8 | length 46.2
  L1 w4: v1(4560.63,3271.25) 4560.82,3271.25 4576.14,3255.92 4576.14,3255.74 U2.L8@4576.51,3255.74
  L6 w4: v1(4560.63,3271.25) 4560.63,3287.38 R1.1@4566.02,3292.77
DDR_ZQ1: R8.1 U2.L9 | length 44.8
  L1 w4: v1(4532.04,3269.73) 4532.04,3269.22 4545.02,3256.25 U2.L9@4545.02,3255.74
  L6 w4: R8.1@4527.69,3293.37 4532.04,3289.02 v1(4532.04,3269.73)
DRAM_SDCKE1: R3.2 U1.J3 U2.J9 | length 461.3
  L1 w4: U2.J9@4545.02,3192.75 4545.02,3193.67 4561.43,3210.08 v1(4561.43,3211) ; v1(4955.29,3191.79) 4955.76,3191.79 4970.55,3177 U1.J3@4971.02,3177
  L6 w4: v1(4561.43,3211) 4562.32,3210.11 4562.32,3210.05 4563.88,3208.5 4659.71,3208.5 4674.2,3194 4699.11,3194 4714.24,3209.13 4809.91,3209.13 4816.03,3203 4874.2,3203 4884.45,3192.75 4954.33,3192.75 v1(4955.29,3191.79)
DRAM_VREF: C29.2 C39.2 C40.1 C42.2 R6.1 R7.2 U1.P4 U2.H1 U2.M8 | length 1537.4
  L1 w4: U2.M8@4576.51,3287.24 4577.25,3287.24 v1(4593.08,3271.41) ; v1(4786.4,3148) 4786.4,3149.33 4796.98,3159.92 U2.H1@4796.98,3161.25 ; v1(4986.77,3034) 4987.41,3034 5001.89,3019.52 U1.P4@5002.52,3019.52
  L6 w8: C39.2@4477.27,3267.31 4485.08,3259.5 4499.48,3259.5 ; v1(4593.08,3271.41) 4575.4,3253.73 4505.25,3253.73 4499.48,3259.5 ; v1(4786.4,3148) 4787.93,3149.53 4797.99,3149.53 4800.89,3152.42 4802.86,3152.42 C29.2@4810.67,3160.23 ; C29.2@4810.67,3162.2 C29.2@4810.67,3160.23 ; 5000,2999.16 4985.84,2985 4923,2985 4891,2953 4806.37,2953 4792.33,2967.04 4792.33,2974.81 4724.74,3042.4 4702.74,3042.4 4646.3,3098.84 4591.79,3098.84 4591.29,3099.33 4587.69,3099.33 4585.02,3102 4547,3102 4534,3115 4460,3115 4448,3127 4448,3179 4457,3188 4493,3188 4499.48,3194.48 4499.48,3210.78 ; 4499.48,3210.78 4499.48,3227.07 4499.18,3227.37 4499.18,3259.21 4499.48,3259.5 ; 4499.48,3210.78 4506.71,3210.78 4511.57,3205.92 4523.08,3205.92 4534,3195 4659,3195 4671,3183 4710,3183 4730,3163 4807.9,3163 C29.2@4810.67,3160.23
  L6 w10: C39.2@4477.27,3267.31 R7.2@4439.27,3267.31 R6.1@4439.27,3308.94 C40.1@4486.27,3308.94 ; C42.2@4999.31,3032 4999.31,3015.92 5000,3015.24 5000,2999.16